# Altium PCB OneLaneSwitchedAdapter.PCBDOC (continued)
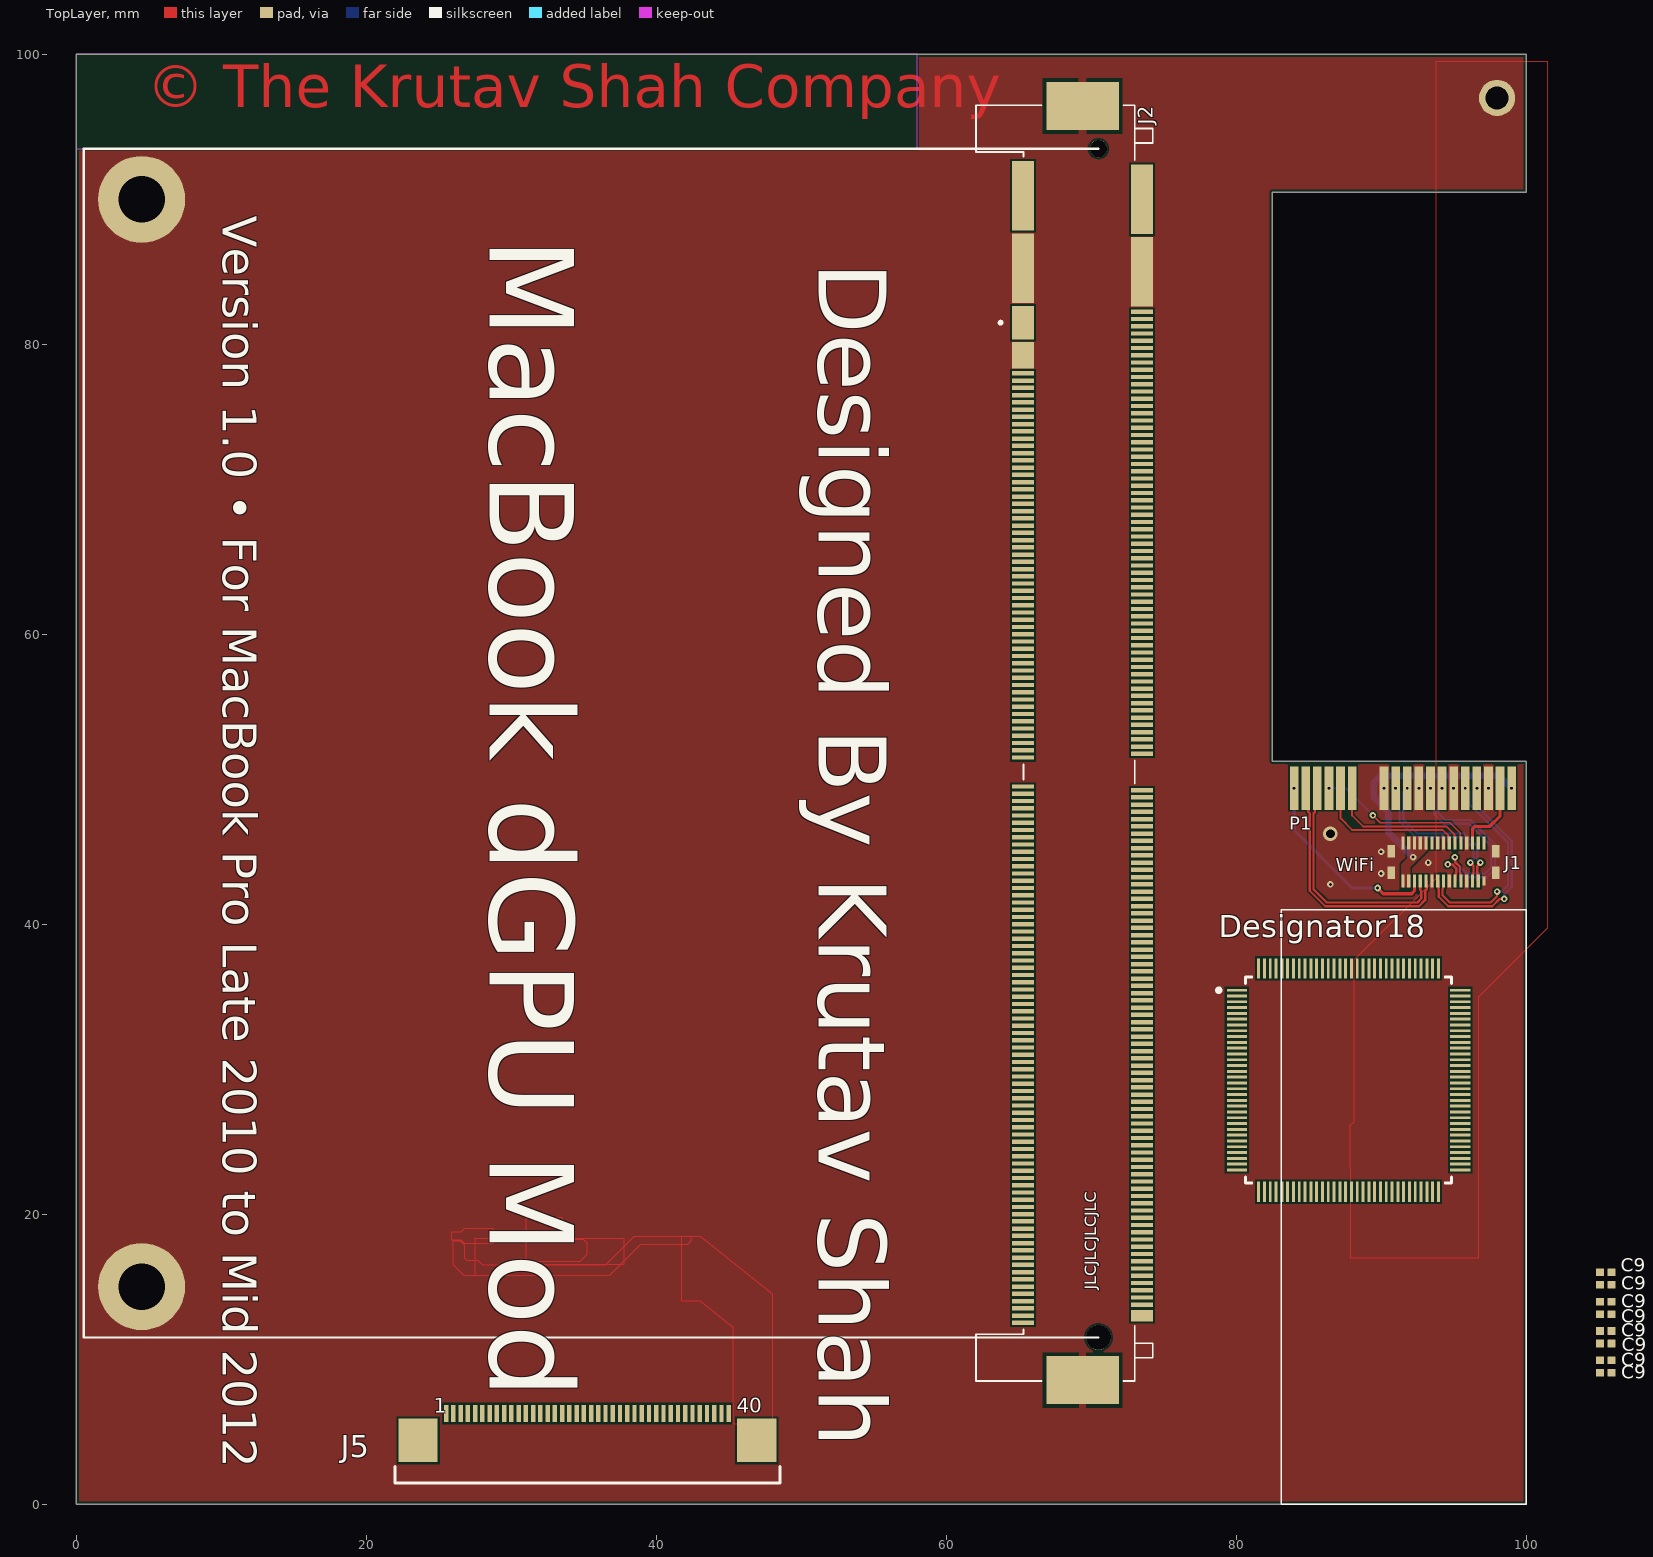
[diagram p0: TopLayer view]
## Classes and differential pairs
differential pair class Display: CK D0 D1 D2 DP_A_L0 DP_A_L1 DP_A_L2 DP_A_L3
net class Display: D0_N D0_P D1_N D1_P D2_N D2_P DP_A_AUX_N DP_A_AUX_P DP_A_HPD DP_A_L0_N DP_A_L0_P DP_A_L1_N DP_A_L1_P DP_A_L2_N DP_A_L2_P DP_A_L3_N DP_A_L3_P
net class JTAG[1..5]: JTAG1 JTAG2 JTAG3 JTAG4 JTAG5
differential pair USB_BT: +USB_BT_P -USB_BT_N
differential pair PCIE_CLK100M_AP: +PCIE_CLK100M_AP_P -PCIE_CLK100M_AP_N
differential pair PCIE_AP_R2D: +PCIE_AP_R2D_P -PCIE_AP_R2D_N
differential pair PCIE_AP_D2R: +PCIE_AP_D2R_P -PCIE_AP_D2R_N
differential pair DP_A_AUX: +DP_A_AUX_P -DP_A_AUX_N
differential pair DP_A_L3: +DP_A_L3_P -DP_A_L3_N
differential pair DP_A_L2: +DP_A_L2_P -DP_A_L2_N
differential pair DP_A_L1: +DP_A_L1_P -DP_A_L1_N
differential pair DP_A_L0: +DP_A_L0_P -DP_A_L0_N
differential pair D2: +D2_P -D2_N
differential pair D1: +D1_P -D1_N
differential pair D0: +D0_P -D0_N
differential pair CK: +CK_P -CK_N
differential pair REFCLK: +REFCLK_P -REFCLK_N
differential pair PER0_C: +PER0_C_P -PER0_C_N
differential pair PER0: +PER0_P -PER0_N
differential pair PET0: +PET0_P -PET0_N

## Components (designator, comment, footprint, x,y, rotation, side; value= is the part's Value field where it differs from the comment)
C91 "CC0402MRX5R5BB224" CAPC1005X55X25LL05T10 105.5,16 r0 top (schematic designator C3)
C92 "CC0402MRX5R5BB224" CAPC1005X55X25LL05T10 105.5,15.14 r0 top (schematic designator C3)
C93 "CC0402MRX5R5BB224" CAPC1005X55X25LL05T10 105.5,13.97 r0 top (schematic designator C3)
C94 "CC0402MRX5R5BB224" CAPC1005X55X25LL05T10 105.5,13.11 r0 top (schematic designator C3)
C95 "CC0402MRX5R5BB224" CAPC1005X55X25LL05T10 105.5,11.94 r0 top (schematic designator C3)
C96 "CC0402MRX5R5BB224" CAPC1005X55X25LL05T10 105.5,11.08 r0 top (schematic designator C3)
C97 "CC0402MRX5R5BB224" CAPC1005X55X25LL05T10 105.5,9.91 r0 top (schematic designator C3)
C98 "CC0402MRX5R5BB224" CAPC1005X55X25LL05T10 105.5,9.05 r0 top (schematic designator C3)
Designator18 "Comment" FP-PBK0128A-MFG 87.75,29.25 r0 top
J1 "Molex 501745-0301" 5017450301 94.303,44.048 r0 top
J2 "Comment" JAE_MM70-314-310B1-2-R300 70.5,50.5 r270 top (schematic designator J1)
J5 "Comment" 68714014022 35.25,3.69 r0 top
P1 "Edge Connector" MBPEdgeConnector 84,49.382 r0 top

## Footprints (in the part's own frame and the unit in brackets; to place one, negate y for a bottom-side part, rotate by r counter-clockwise, add the part's x,y. Pads: shape width x height; smd on the part's side, far side on the other; paste and mask are expansions set on the pad)
5017450301 [mm]
  rect 0.22x0.6 smd mask+0: 1(2.8,-1.061)
  rect 0.22x0.9 smd mask+0: 2(2.8,1.569) 3(2.4,-1.061) 4(2.4,1.569) 5(2,-1.061) 6(2,1.569) 7(1.6,-1.061) 8(1.6,1.569) 9(1.2,-1.061) 10(1.2,1.569) 11(0.8,-1.061) 12(0.8,1.569) 13(0.4,-1.061) 14(0.4,1.569) 15(0,-1.061) 16(0,1.569) 17(-0.4,-1.061) 18(-0.4,1.569) 19(-0.8,-1.061) 20(-0.8,1.569) 21(-1.2,-1.061) 22(-1.2,1.569) 23(-1.6,-1.061) 24(-1.6,1.569) 25(-2,-1.061) 26(-2,1.569) 27(-2.4,-1.061) 28(-2.4,1.569) 29(-2.8,-1.061) 30(-2.8,1.569)
  rect 0.5x0.85 smd mask+0: 31(3.6,-0.486) 32(3.6,0.994) 33(-3.6,0.994) 34(-3.6,-0.486)
68714014022 [mm] "ZIF Connectors, Horizontal, Top Contact, pitch 0.5mm, 40p"
  rect 0.3x1.2 smd: 1(-9.75,2.56) 2(-9.25,2.56) 3(-8.75,2.56) 4(-8.25,2.56) 5(-7.75,2.56) 6(-7.25,2.56) 7(-6.75,2.56) 8(-6.25,2.56) 9(-5.75,2.56) 10(-5.25,2.56) 11(-4.75,2.56) 12(-4.25,2.56) 13(-3.75,2.56) 14(-3.25,2.56) 15(-2.75,2.56) 16(-2.25,2.56) 17(-1.75,2.56) 18(-1.25,2.56) 19(-0.75,2.56) 20(-0.25,2.56) 21(0.25,2.56) 22(0.75,2.56) 23(1.25,2.56) 24(1.75,2.56) 25(2.25,2.56) 26(2.75,2.56) 27(3.25,2.56) 28(3.75,2.56) 29(4.25,2.56) 30(4.75,2.56) 31(5.25,2.56) 32(5.75,2.56) 33(6.25,2.56) 34(6.75,2.56) 35(7.25,2.56) 36(7.75,2.56) 37(8.25,2.56) 38(8.75,2.56) 39(9.25,2.56) 40(9.75,2.56)
  rect 2.7x3 smd: MP1(-11.68,0.7) MP2(11.68,0.7)
  silkscreen extent -13.27,-2.22 13.28,-1.1
CAPC1005X55X25LL05T10 [mm] "Chip Capacitor, 2-Leads, Body 1.05x0.55mm, IPC High Density"
  rect 0.56x0.52 smd: 1(-0.39,0) 2(0.39,0)
  body extent -0.53,-0.27 0.53,0.28, height 0.55
FP-PBK0128A-MFG [mm]
  rect 1.4x0.2 smd paste+0 mask+0: 1(-7.7,6.2) 2(-7.7,5.8) 3(-7.7,5.4) 4(-7.7,5) 5(-7.7,4.6) 6(-7.7,4.2) 7(-7.7,3.8) 8(-7.7,3.4) 9(-7.7,3) 10(-7.7,2.6) 11(-7.7,2.2) 12(-7.7,1.8) 13(-7.7,1.4) 14(-7.7,1) 15(-7.7,0.6) 16(-7.7,0.2) 17(-7.7,-0.2) 18(-7.7,-0.6) 19(-7.7,-1) 20(-7.7,-1.4) 21(-7.7,-1.8) 22(-7.7,-2.2) 23(-7.7,-2.6) 24(-7.7,-3) 25(-7.7,-3.4) 26(-7.7,-3.8) 27(-7.7,-4.2) 28(-7.7,-4.6) 29(-7.7,-5) 30(-7.7,-5.4) 31(-7.7,-5.8) 32(-7.7,-6.2) 65(7.7,-6.2) 66(7.7,-5.8) 67(7.7,-5.4) 68(7.7,-5) 69(7.7,-4.6) 70(7.7,-4.2) 71(7.7,-3.8) 72(7.7,-3.4) 73(7.7,-3) 74(7.7,-2.6) 75(7.7,-2.2) 76(7.7,-1.8) 77(7.7,-1.4) 78(7.7,-1) 79(7.7,-0.6) 80(7.7,-0.2) 81(7.7,0.2) 82(7.7,0.6) 83(7.7,1) 84(7.7,1.4) 85(7.7,1.8) 86(7.7,2.2) 87(7.7,2.6) 88(7.7,3) 89(7.7,3.4) 90(7.7,3.8) 91(7.7,4.2) 92(7.7,4.6) 93(7.7,5) 94(7.7,5.4) 95(7.7,5.8) 96(7.7,6.2)
  rect 0.2x1.4 smd paste+0 mask+0: 33(-6.2,-7.7) 34(-5.8,-7.7) 35(-5.4,-7.7) 36(-5,-7.7) 37(-4.6,-7.7) 38(-4.2,-7.7) 39(-3.8,-7.7) 40(-3.4,-7.7) 41(-3,-7.7) 42(-2.6,-7.7) 43(-2.2,-7.7) 44(-1.8,-7.7) 45(-1.4,-7.7) 46(-1,-7.7) 47(-0.6,-7.7) 48(-0.2,-7.7) 49(0.2,-7.7) 50(0.6,-7.7) 51(1,-7.7) 52(1.4,-7.7) 53(1.8,-7.7) 54(2.2,-7.7) 55(2.6,-7.7) 56(3,-7.7) 57(3.4,-7.7) 58(3.8,-7.7) 59(4.2,-7.7) 60(4.6,-7.7) 61(5,-7.7) 62(5.4,-7.7) 63(5.8,-7.7) 64(6.2,-7.7) 97(6.2,7.7) 98(5.8,7.7) 99(5.4,7.7) 100(5,7.7) 101(4.6,7.7) 102(4.2,7.7) 103(3.8,7.7) 104(3.4,7.7) 105(3,7.7) 106(2.6,7.7) 107(2.2,7.7) 108(1.8,7.7) 109(1.4,7.7) 110(1,7.7) 111(0.6,7.7) 112(0.2,7.7) 113(-0.2,7.7) 114(-0.6,7.7) 115(-1,7.7) 116(-1.4,7.7) 117(-1.8,7.7) 118(-2.2,7.7) 119(-2.6,7.7) 120(-3,7.7) 121(-3.4,7.7) 122(-3.8,7.7) 123(-4.2,7.7) 124(-4.6,7.7) 125(-5,7.7) 126(-5.4,7.7) 127(-5.8,7.7) 128(-6.2,7.7)
  silkscreen extent -9.07,-7.1 7.1,7.1, body extent -8.5,-8.5 8.5,8.5, height 0.25
JAE_MM70-314-310B1-2-R300 [mm]
  rect 2.3x1.5 smd: 1(-31,-5.2)
  rect 0.3x1.5 smd: 2(-31.75,3) 4(-31.25,3) 6(-30.75,3) 8(-30.25,3) 10(-29.75,3) 12(-29.25,3) 14(-28.75,3) 16(-28.25,3) 18(-27.75,3) 19(-27.5,-5.2) 20(-27.25,3) 21(-27,-5.2) 22(-26.75,3) 23(-26.5,-5.2) 24(-26.25,3) 25(-26,-5.2) 26(-25.75,3) 27(-25.5,-5.2) 28(-25.25,3) 29(-25,-5.2) 30(-24.75,3) 31(-24.5,-5.2) 32(-24.25,3) 33(-24,-5.2) 34(-23.75,3) 35(-23.5,-5.2) 36(-23.25,3) 37(-23,-5.2) 38(-22.75,3) 39(-22.5,-5.2) 40(-22.25,3) 41(-22,-5.2) 42(-21.75,3) 43(-21.5,-5.2) 44(-21.25,3) 45(-21,-5.2) 46(-20.75,3) 47(-20.5,-5.2) 48(-20.25,3) 49(-20,-5.2) 50(-19.75,3) 51(-19.5,-5.2) 52(-19.25,3) 53(-19,-5.2) 54(-18.75,3) 55(-18.5,-5.2) 56(-18.25,3) 57(-18,-5.2) 58(-17.75,3) 59(-17.5,-5.2) 60(-17.25,3) 61(-17,-5.2) 62(-16.75,3) 63(-16.5,-5.2) 64(-16.25,3) 65(-16,-5.2) 66(-15.75,3) 67(-15.5,-5.2) 68(-15.25,3) 69(-15,-5.2) 70(-14.75,3) 71(-14.5,-5.2) 72(-14.25,3) 73(-14,-5.2) 74(-13.75,3) 75(-13.5,-5.2) 76(-13.25,3) 77(-13,-5.2) 78(-12.75,3) 79(-12.5,-5.2) 80(-12.25,3) 81(-12,-5.2) 82(-11.75,3) 83(-11.5,-5.2) 84(-11.25,3) 85(-11,-5.2) 86(-10.75,3) 87(-10.5,-5.2) 88(-10.25,3) 89(-10,-5.2) 90(-9.75,3) 91(-9.5,-5.2) 92(-9.25,3) 93(-9,-5.2) 94(-8.75,3) 95(-8.5,-5.2) 96(-8.25,3) 97(-8,-5.2) 98(-7.75,3) 99(-7.5,-5.2) 100(-7.25,3) 101(-7,-5.2) 102(-6.75,3) 103(-6.5,-5.2) 104(-6.25,3) 105(-6,-5.2) 106(-5.75,3) 107(-5.5,-5.2) 108(-5.25,3) 109(-5,-5.2) 110(-4.75,3) 111(-4.5,-5.2) 112(-4.25,3) 113(-4,-5.2) 114(-3.75,3) 115(-3.5,-5.2) 116(-3.25,3) 117(-3,-5.2) 118(-2.75,3) 119(-2.5,-5.2) 120(-2.25,3) 121(-2,-5.2) 122(-1.75,3) 123(-1.5,-5.2) 124(-1.25,3) 125(-1,-5.2) 133(1,-5.2) 134(1.25,3) 135(1.5,-5.2) 136(1.75,3) 137(2,-5.2) 138(2.25,3) 139(2.5,-5.2) 140(2.75,3) 141(3,-5.2) 142(3.25,3) 143(3.5,-5.2) 144(3.75,3) 145(4,-5.2) 146(4.25,3) 147(4.5,-5.2) 148(4.75,3) 149(5,-5.2) 150(5.25,3) 151(5.5,-5.2) 152(5.75,3) 153(6,-5.2) 154(6.25,3) 155(6.5,-5.2) 156(6.75,3) 157(7,-5.2) 158(7.25,3) 159(7.5,-5.2) 160(7.75,3) 161(8,-5.2) 162(8.25,3) 163(8.5,-5.2) 164(8.75,3) 165(9,-5.2) 166(9.25,3) 167(9.5,-5.2) 168(9.75,3) 169(10,-5.2) 170(10.25,3) 171(10.5,-5.2) 172(10.75,3) 173(11,-5.2) 174(11.25,3) 175(11.5,-5.2) 176(11.75,3) 177(12,-5.2) 178(12.25,3) 179(12.5,-5.2) 180(12.75,3) 181(13,-5.2) 182(13.25,3) 183(13.5,-5.2) 184(13.75,3) 185(14,-5.2) 186(14.25,3) 187(14.5,-5.2) 188(14.75,3) 189(15,-5.2) 190(15.25,3) 191(15.5,-5.2) 192(15.75,3) 193(16,-5.2) 194(16.25,3) 195(16.5,-5.2) 196(16.75,3) 197(17,-5.2) 198(17.25,3) 199(17.5,-5.2) 200(17.75,3) 201(18,-5.2) 202(18.25,3) 203(18.5,-5.2) 204(18.75,3) 205(19,-5.2) 206(19.25,3) 207(19.5,-5.2) 208(19.75,3) 209(20,-5.2) 210(20.25,3) 211(20.5,-5.2) 212(20.75,3) 213(21,-5.2) 214(21.25,3) 215(21.5,-5.2) 216(21.75,3) 217(22,-5.2) 218(22.25,3) 219(22.5,-5.2) 220(22.75,3) 221(23,-5.2) 222(23.25,3) 223(23.5,-5.2) 224(23.75,3) 225(24,-5.2) 226(24.25,3) 227(24.5,-5.2) 228(24.75,3) 229(25,-5.2) 230(25.25,3) 231(25.5,-5.2) 232(25.75,3) 233(26,-5.2) 234(26.25,3) 235(26.5,-5.2) 236(26.75,3) 237(27,-5.2) 238(27.25,3) 239(27.5,-5.2) 240(27.75,3) 241(28,-5.2) 242(28.25,3) 243(28.5,-5.2) 244(28.75,3) 245(29,-5.2) 246(29.25,3) 247(29.5,-5.2) 248(29.75,3) 249(30,-5.2) 250(30.25,3) 251(30.5,-5.2) 252(30.75,3) 253(31,-5.2) 254(31.25,3) 255(31.5,-5.2) 256(31.75,3) 257(32,-5.2) 258(32.25,3) 259(32.5,-5.2) 260(32.75,3) 261(33,-5.2) 262(33.25,3) 263(33.5,-5.2) 264(33.75,3) 265(34,-5.2) 266(34.25,3) 267(34.5,-5.2) 268(34.75,3) 269(35,-5.2) 270(35.25,3) 271(35.5,-5.2) 272(35.75,3) 273(36,-5.2) 274(36.25,3) 275(36.5,-5.2) 276(36.75,3) 277(37,-5.2) 279(37.5,-5.2) 281(38,-5.2)
  rect 1.8x1.5 smd: 11(-28.75,-5.2)
  rect 0.8x1.5 smd: 278(37.5,3)
  rect 4.8x1.5 smd: E1(-39.75,-5.2) E2(-39.5,3) E3(-34.75,-5.2) E4(-34.5,3)
  rect 3.3x5 smd: S1(-45.95,-1.1) S2(41.95,-1.1)
  round 1.2 hole 1.2 unplated: ""(-43,0)
  round 1.7 hole 1.7 unplated: ""(39,0)
  silkscreen extent -46,-8.45 42,3.75
MBPEdgeConnector [mm]
  rect 0.6x3 smd paste-3 mask+0: 1(15,0) 2(14.2,0) 3(13.4,0) 4(12.6,0) 5(11.8,0) 6(11,0) 7(10.2,0) 8(9.4,0) 9(8.6,0) 10(7.8,0) 11(7,0) 12(6.2,0) 13(4,0) 14(3.2,0) 15(2.4,0) 16(1.6,0) 17(0.8,0) 18(0,0)

## Part data
C91 C92 C93 C94 C95 C96 C97 C98: library part CMP-2010-00679-1
J1: library part 501745-0301
J2: library part MM70-314-310B1-1-R300, "314 Position Female Connector MXM 3.0 Gold 0.020 _0.50mm_ Black"
P1: library part AdapterPCIEContacts

## Free pads (board coordinates)
  round 6 hole 3.2: MH1(4.5,15) MH2(4.5,90)
  round 2.5 hole 1.6: MH3(98,97)

## Via types
v1: diameter 0.45, hole 0.2, TopLayer to BottomLayer, tented both sides, 26 vias
v2: diameter 1, hole 0.6, TopLayer to BottomLayer, 1 vias

## Nets (pads, with @x,y where several pads share a name; then routed paths per layer and width w, separated by ;. In a path a pad name is that pad's centre, name@x,y a point inside that pad or via, vN(x,y) a via of type N, cw(c..) or ccw(c..) an arc to the next point about the centre after c; other vN are vias at no path point)
3.3VAUX: 
+3.3V: 
+5V: 
+12V: 
+HD5V: 
AP_CLKREQ_Q_L: J1.10 P1.15 | length 11
  TopLayer w0.127: v1(89.429,47.513) 89.942,47 94.75,47 95.456,46.294 95.456,45.664 J1.10
  BottomLayer w0.127: v1(86.4,49.382) 87.56,49.382 v1(89.429,47.513)
AP_PCIE_WAKE_L: J1.12 P1.13 | length 10.1
  TopLayer w0.127: P1.13 88,47.5 88.75,46.75 94.5,46.75 95.057,46.193 95.057,45.664 J1.12
AP_RESET_CONN_L: J1.14 P1.14 | length 10.5
  TopLayer w0.127: P1.14 87.2,47.3 88,46.5 94.249,46.5 94.656,46.093 94.656,45.664 J1.14
C1: 
C2: 
C3: 
C4: 
CEC: 
CK_N: 
CK_P: 
CLKREQ#: 
CLKREQ_R#: 
D0_N: 
D0_P: 
D1_N: 
D1_P: 
D2_N: 
D2_P: 
DP_A_AUX_N: 
DP_A_AUX_P: 
DP_A_HPD: 
DP_A_L0_N: 
DP_A_L0_P: 
DP_A_L1_N: 
DP_A_L1_P: 
DP_A_L2_N: 
DP_A_L2_P: 
DP_A_L3_N: 
DP_A_L3_P: 
FAN_PWM: 
GND: J1.1 J1.7 J1.8 J1.13 J1.16 J1.19 J1.30 J1.31 J1.32 J1.33 J1.34 J2.11 J2.E3 J2.E4 J2.S1 J2.S2 P1.3 P1.6 P1.9 P1.12 pad.MH1 pad.MH2 pad.MH3
  other v1: 86.5,42.75 90,43.5 93.25,44.25 90,45 90.2,49.382 92.6,49.382 95,49.382 97.4,49.382
  other v2: 86.5,46.25
HPD: 
HPD_R: 
JTAG1: 
JTAG2: 
JTAG3: 
JTAG4: 
JTAG5: 
MXM_PM_SWING#: 
Net#PWR01_1: 
Net#PWR02_1: 
Net#PWR03_1: 
Net#PWR05_1: 
Net#PWR06_1: 
Net#PWR07_1: 
Net#PWR08_1: 
Net#PWR09_1: 
Net#PWR010_1: 
Net#PWR011_1: 
Net#PWR012_1: 
Net#PWR013_1: 
Net#PWR017_1: 
Net#PWR018_1: 
Net#PWR019_1: 
Net#PWR020_1: 
Net#PWR021_1: 
Net#PWR022_1: 
Net#PWR023_1: 
Net#PWR024_1: 
Net#PWR025_1: 
Net#PWR026_1: 
Net#PWR028_1: 
Net#PWR029_1: 
Net#PWR0101_1: 
Net#PWR0102_1: 
Net#PWR0103_1: 
Net#PWR?_1: 
NetC1_1: 
NetC3_2: 
NetC14_1: 
NetC14_2: 
NetD5_2: 
NetD7_1: 
NetFB1_1: 
NetFB2_1: 
NetFB3_1: 
NetFB4_1: 
NetFB5_2: 
NetJ1_A1: 
NetJ2_1: 
NetJ2_5: 
NetJ3_18: 
NetJ?_15: 
NetJ?_16: 
NetQ1_3: 
NetQ?_3: 
NetR5_2: 
NetR12_2: 
NetR31_2: 
OVERHEAT#: 
PCIE_AP_D2R_N: J1.5 P1.11 | length 10.7
  TopLayer w0.159: v1(96.153,44.25) 96.153,44.231 96.373,44.011 96.373,43.769 96.373,43.554 96.334,43.514 96.334,43.018 J1.5
  BottomLayer w0.159: v1(91,49.382) 91.27,49.112 91.27,47.112 92.382,46 95.623,46 96.373,45.25 96.373,44.88 96.373,44.489 96.153,44.269 v1(96.153,44.25)
PCIE_AP_D2R_P: J1.3 P1.10 | length 10.7
  TopLayer w0.159: J1.3 96.672,43.018 96.672,43.514 96.633,43.554 96.633,43.877 96.633,44.011 96.853,44.231 v1(96.853,44.25)
  BottomLayer w0.159: v1(91.8,49.382) 91.53,49.112 91.53,47.22 92.49,46.26 95.731,46.26 96.633,45.358 96.633,44.772 96.633,44.489 96.853,44.269 v1(96.853,44.25)
PCIE_AP_R2D_N: J1.17 P1.4 | length 15.2
  TopLayer w0.159: J1.17 93.934,42.956 93.934,42.46 93.973,42.42 93.973,41.892 94.625,41.24 97.669,41.24 98.171,41.742 98.482,41.742 v1(98.495,41.755)
  BottomLayer w0.159: v1(96.6,49.382) 96.33,49.112 96.33,48.42 99.01,45.74 99.01,42.581 98.508,42.079 98.508,41.768 v1(98.495,41.755)
PCIE_AP_R2D_P: J1.15 P1.5 | length 14.3
  TopLayer w0.159: J1.15 94.272,42.956 94.272,42.46 94.233,42.42 94.233,42 94.733,41.5 97.561,41.5 97.987,41.926 97.987,42.237 v1(98,42.25)
  BottomLayer w0.159: v1(95.8,49.382) 96.07,49.112 96.07,48.312 98.75,45.632 98.75,42.689 98.324,42.263 98.013,42.263 v1(98,42.25)
PCIE_CLK100M_AP_N: J1.11 P1.7 | length 13.8
  TopLayer w0.159: v1(94.596,44.129) 94.609,44.115 94.92,44.115 95.173,43.863 95.173,43.554 95.134,43.514 95.134,43.018 J1.11
  BottomLayer w0.159: v1(94.2,49.382) 93.93,49.112 93.93,47.688 94.422,47.197 96.172,47.197 97.855,45.513 97.855,43.812 97.282,43.24 95.796,43.24 94.92,44.115 94.609,44.115 v1(94.596,44.129)
PCIE_CLK100M_AP_P: J1.9 P1.8 | length 13.4
  TopLayer w0.159: v1(95.091,44.624) 95.104,44.61 95.104,44.299 95.433,43.97 95.433,43.554 95.472,43.514 95.472,43.018 J1.9
  BottomLayer w0.159: v1(93.4,49.382) 93.67,49.112 93.67,47.58 94.314,46.936 96.064,46.936 97.595,45.405 97.595,43.92 97.174,43.5 95.904,43.5 95.104,44.299 95.104,44.61 v1(95.091,44.624)
PER0_C_N: 
PER0_C_P: 
PER0_N: 
PER0_P: 
PER1_N: 
PER1_P: 
PER2_N: 
PER2_P: 
PER3_N: 
PER3_P: 
PER4_N: 
PER4_P: 
PER5_N: 
PER5_P: 
PER6_N: 
PER6_P: 
PER7_N: 
PER7_P: 
PER8_N: 
PER8_P: 
PER9_N: 
PER9_P: 
PER10_N: 
PER10_P: 
PER11_N: 
PER11_P: 
PER12_N: 
PER12_P: 
PER13_N: 
PER13_P: 
PER14_N: 
PER14_P: 
PER15_N: 
PER15_P: 
PERST#: 
PERST#: 
PET0_N: 
PET0_P: 
PET1_N: 
PET1_P: 
PET2_N: 
PET2_P: 
PET3_N: 
PET3_P: 
PET4_N: 
PET4_P: 
PET5_N: 
PET5_P: 
PET6_N: 
PET6_P: 
PET7_N: 
PET7_P: 
PET8_N: 
PET8_P: 
PET9_N: 
PET9_P: 
PET10_N: 
PET10_P: 
PET11_N: 
PET11_P: 
PET12_N: 
PET12_P: 
PET13_N: 
PET13_P: 
PET14_N: 
PET14_P: 
PET15_N: 
PET15_P: 
PP3V3_S3_BT_F: J1.25 P1.18 | length 13.8
  TopLayer w0.22: v1(89.75,42.5) 90.144,42.106 92.106,42.106 92.303,42.303 J1.25
  BottomLayer w0.22: v1(84,49.382) 84,46.5 88,42.5 v1(89.75,42.5)
PP3V3_WLAN: J1.22 J1.24 J1.26 J1.27 J1.28 J1.29 P1.1 | length 16.3
  BottomLayer w0.45: v1(92.202,44.627) 90.5,46.329 90.5,47.75 89.5,48.75 89.5,49.791 89.959,50.25 98.132,50.25 v1(99,49.382)
PRSNT1#: 
PRSNT2#: 
PRSNT_R#: 
PWR_EN: 
REFCLK+: 
REFCLK-: 
REFCLK_N: 
REFCLK_P: 
SCL: 
SDA: 
SH: 
SMCLK: 
SMCLK_R: 
SMDAT: 
SMDAT_R: 
TMDS_HPD: 
TMDS_SCL: 
TMDS_SDA: 
USB_BT_N: J1.23 P1.16 | length 16.3
  TopLayer w0.159: P1.16 85.433,49.215 85.433,47.744 85.33,47.641 85.33,42.42 86.25,41.5 92.5,41.5 92.773,41.773 92.773,42.286 92.703,42.356 J1.23
USB_BT_P: J1.21 P1.17 | length 17.2
  TopLayer w0.159: P1.17 84.967,49.215 84.967,47.744 85.07,47.641 85.07,42.312 86.142,41.24 92.608,41.24 93.033,41.665 93.033,42.286 93.146,42.399 93.146,42.987 J1.21
VGA_DISABLE#: 
VGA_VS: 
WAKE#: 
WAKE#: 
WAKE_R#: 
WIFI_EVENT_L: J1.6 P1.2 | length 5.2
  TopLayer w0.22: J1.6 96.303,46.591 96.462,46.75 97.5,46.75 98.2,47.45 P1.2
pads on no net: C91.1 C91.2 C92.1 C92.2 C93.1 C93.2 C94.1 C94.2 C95.1 C95.2 C96.1 C96.2 C97.1 C97.2 C98.1 C98.2 Designator18.1 Designator18.2 Designator18.3 Designator18.4 Designator18.5 Designator18.6 Designator18.7 Designator18.8 Designator18.9 Designator18.10 Designator18.11 Designator18.12 Designator18.13 Designator18.14 Designator18.15 Designator18.16 Designator18.17 Designator18.18 Designator18.19 Designator18.20 Designator18.21 Designator18.22 Designator18.23 Designator18.24 Designator18.25 Designator18.26 Designator18.27 Designator18.28 Designator18.29 Designator18.30 Designator18.31 Designator18.32 Designator18.33 Designator18.34 Designator18.35 Designator18.36 Designator18.37 Designator18.38 Designator18.39 Designator18.40 Designator18.41 Designator18.42 Designator18.43 Designator18.44 Designator18.45 Designator18.46 Designator18.47 Designator18.48 Designator18.49 Designator18.50 Designator18.51 Designator18.52 Designator18.53 Designator18.54 Designator18.55 Designator18.56 Designator18.57 Designator18.58 Designator18.59 Designator18.60 Designator18.61 Designator18.62 Designator18.63 Designator18.64 Designator18.65 Designator18.66 Designator18.67 Designator18.68 Designator18.69 Designator18.70 Designator18.71 Designator18.72 Designator18.73 Designator18.74 Designator18.75 Designator18.76 Designator18.77 Designator18.78 Designator18.79 Designator18.80 Designator18.81 Designator18.82 Designator18.83 Designator18.84 Designator18.85 Designator18.86 Designator18.87 Designator18.88 Designator18.89 Designator18.90 Designator18.91 Designator18.92 Designator18.93 Designator18.94 Designator18.95 Designator18.96 Designator18.97 Designator18.98 Designator18.99 Designator18.100 Designator18.101 Designator18.102 Designator18.103 Designator18.104 Designator18.105 Designator18.106 Designator18.107 Designator18.108 Designator18.109 Designator18.110 Designator18.111 Designator18.112 Designator18.113 Designator18.114 Designator18.115 Designator18.116 Designator18.117 Designator18.118 Designator18.119 Designator18.120 Designator18.121 Designator18.122 Designator18.123 Designator18.124 Designator18.125 Designator18.126 Designator18.127 Designator18.128 J1.2 J1.4 J1.18 J1.20 J2. J2.1 J2.2 J2.4 J2.6 J2.8 J2.10 J2.12 J2.14 J2.16 J2.18 J2.19 J2.20 J2.21 J2.22 J2.23 J2.24 J2.25 J2.26 J2.27 J2.28 J2.29 J2.30 J2.31 J2.32 J2.33 J2.34 J2.35 J2.36 J2.37 J2.38 J2.39 J2.40 J2.41 J2.42 J2.43 J2.44 J2.45 J2.46 J2.47 J2.48 J2.49 J2.50 J2.51 J2.52 J2.53 J2.54 J2.55 J2.56 J2.57 J2.58 J2.59 J2.60 J2.61 J2.62 J2.63 J2.64 J2.65 J2.66 J2.67 J2.68 J2.69 J2.70 J2.71 J2.72 J2.73 J2.74 J2.75 J2.76 J2.77 J2.78 J2.79 J2.80 J2.81 J2.82 J2.83 J2.84 J2.85 J2.86 J2.87 J2.88 J2.89 J2.90 J2.91 J2.92 J2.93 J2.94 J2.95 J2.96 J2.97 J2.98 J2.99 J2.100 J2.101 J2.102 J2.103 J2.104 J2.105 J2.106 J2.107 J2.108 J2.109 J2.110 J2.111 J2.112 J2.113 J2.114 J2.115 J2.116 J2.117 J2.118 J2.119 J2.120 J2.121 J2.122 J2.123 J2.124 J2.125 J2.133 J2.134 J2.135 J2.136 J2.137 J2.138 J2.139 J2.140 J2.141 J2.142 J2.143 J2.144 J2.145 J2.146 J2.147 J2.148 J2.149 J2.150 J2.151 J2.152 J2.153 J2.154 J2.155 J2.156 J2.157 J2.158 J2.159 J2.160 J2.161 J2.162 J2.163 J2.164 J2.165 J2.166 J2.167 J2.168 J2.169 J2.170 J2.171 J2.172 J2.173 J2.174 J2.175 J2.176 J2.177 J2.178 J2.179 J2.180 J2.181 J2.182 J2.183 J2.184 J2.185 J2.186 J2.187 J2.188 J2.189 J2.190 J2.191 J2.192 J2.193 J2.194 J2.195 J2.196 J2.197 J2.198 J2.199 J2.200 J2.201 J2.202 J2.203 J2.204 J2.205 J2.206 J2.207 J2.208 J2.209 J2.210 J2.211 J2.212 J2.213 J2.214 J2.215 J2.216 J2.217 J2.218 J2.219 J2.220 J2.221 J2.222 J2.223 J2.224 J2.225 J2.226 J2.227 J2.228 J2.229 J2.230 J2.231 J2.232 J2.233 J2.234 J2.235 J2.236 J2.237 J2.238 J2.239 J2.240 J2.241 J2.242 J2.243 J2.244 J2.245 J2.246 J2.247 J2.248 J2.249 J2.250 J2.251 J2.252 J2.253 J2.254 J2.255 J2.256 J2.257 J2.258 J2.259 J2.260 J2.261 J2.262 J2.263 J2.264 J2.265 J2.266 J2.267 J2.268 J2.269 J2.270 J2.271 J2.272 J2.273 J2.274 J2.275 J2.276 J2.277 J2.278 J2.279 J2.281 J2.E1 J2.E2 J5.1 J5.2 J5.3 J5.4 J5.5 J5.6 J5.7 J5.8 J5.9 J5.10 J5.11 J5.12 J5.13 J5.14 J5.15 J5.16 J5.17 J5.18 J5.19 J5.20 J5.21 J5.22 J5.23 J5.24 J5.25 J5.26 J5.27 J5.28 J5.29 J5.30 J5.31 J5.32 J5.33 J5.34 J5.35 J5.36 J5.37 J5.38 J5.39 J5.40 J5.MP1 J5.MP2

## Polygon pours and split planes (outlines as drawn)
GND on TopLayer "GND_L01_P030" (solid, remove dead copper, pour order 30): 100,0 0,0 0,100 100,100
PP3V3_WLAN on TopLayer "PP3V3_WLAN_L01_P026" (solid, pour order 26): 91.392,42.536 91.392,44.142 91.792,44.542 91.792,46.065 93.215,46.065 93.214,45.127 92.011,43.924 92.011,42.536
+12V on TopLayer "NONET_L01_P015" (solid, shelved, pour order 15): 38.875,17.875 36.75,15.75 26.752,15.75 26,16.502 26,18.171 26.471,18.171 26.75,17.893 26.75,17 26.918,16.832 27.668,16.832 28,16.5 36.5,16.5 38.472,18.472 42.389,18.472 42.389,18.139 42.125,17.875
+5V on TopLayer "NONET_L01_P025" (solid, shelved, pour order 25): 31,19.75 31,16.75 34.75,16.75 35.25,17.25 35.25,18 35,18.25 33.5,18.25 33.5,19.75 31,19.75 31.25,19.75
NetC14_1 on TopLayer "NONET_L01_P017" (solid, shelved, pour order 17): 25.868,18.75 25.868,18.25 26.5,18.25 26.75,18 28.75,18 28.75,19 26.75,19 26.5,18.75
+5V on TopLayer "NONET_L01_P021" (solid, shelved, pour order 21): 27.497,18.349 28.497,18.349 37.75,18.349 37.75,16.5 29.247,16.5 29.247,16.099 28.908,15.759 27.497,15.759
+12V on TopLayer "TopLayer-+12V" (solid, remove dead copper, shelved, pour order 20): 87.854,17 96.746,17 96.749,34.999 101.5,39.75 101.5,99.5 93.75,99.5 93.75,43.15 88.102,37.502 88.102,26.352 87.848,26.098 87.854,20.25
+12V on TopLayer "TopLayer-+12V" (solid, shelved, pour order 23): 43.028,14 41.75,14 41.75,18.472 43.028,18.472 48,14.5 48,5.5 45.301,5.5 45.301,12.25 45.25,12.25
GND on BottomLayer "GND_L04_P022" (solid, pour order 22): 100,0 0,0 0,100 100,100
+12V on BottomLayer "NONET_L04_P011" (solid, shelved, pour order 11): 96.75,17 96.75,34.996 101.5,39.746 101.5,99.5 93.75,99.5 93.75,43.15 88.102,37.503 88.102,26.348 87.855,26.101 87.855,17
+12V on BottomLayer "NONET_L04_P012" (solid, shelved, pour order 12): 45.579,9.713 48,9.713 48,5.595 45.579,5.595
+3.3V on BottomLayer "NONET_L04_P018" (solid, shelved, pour order 18): 53.036,5.585 52.25,5.585 52.25,7.5 52.5,7.75 54,7.75 55,6.75 55,5.585
GND on InternalPlane2 (split plane): 99.617,90.883 82.5,90.883 82.425,90.875 82.353,90.854 82.287,90.818 82.229,90.771 82.182,90.713 82.146,90.647 82.125,90.575 82.117,90.5 82.117,89.25 82.117,51.25 82.125,51.175 82.146,51.103 82.182,51.037 82.229,50.979 82.287,50.932 82.353,50.896 82.425,50.875 82.5,50.867 99.617,50.867 99.617,0.383 0.383,0.383 0.383,99.617 99.617,99.617
GND on InternalPlane1 (split plane): 99.617,90.883 82.5,90.883 82.425,90.875 82.353,90.854 82.287,90.818 82.229,90.771 82.182,90.713 82.146,90.647 82.125,90.575 82.117,90.5 82.117,89.25 82.117,51.25 82.125,51.175 82.146,51.103 82.182,51.037 82.229,50.979 82.287,50.932 82.353,50.896 82.425,50.875 82.5,50.867 99.617,50.867 99.617,0.383 0.383,0.383 0.383,99.617 99.617,99.617

## Keep-outs
KeepOutLayer:
  rectangle: 0,93.5 58,100

## Other copper
TopLayer:
  text "© The Krutav Shah Company" at 4.854,95.384 h5

## Silkscreen, mask and mechanical layers (free items; w line width, h text height)
TopOverlay:
  lines w0.1: 83.1,0 100,0 100,41 83.1,41 83.1,0
  lines w0.154: 70.5,11.5 0.5,11.5 0.5,93.5 70.5,93.5
  text "Version 1.0 • For MacBook Pro Late 2010 to Mid 2012" at 9.283,88.865 h4 r270
  text "MacBook dGPU Mod" at 26.583,87.371 h10 r270
  text "Designed By Krutav Shah" at 49.665,85.667 h8 r270
  text "WiFi" at 86.879,43.653 h0.92
  text "JLCJLCJLCJLC" at 70.347,14.777 h0.81 r90
BottomOverlay:
  text "MBP Unibody Wireless / Universal Adapter" at 99.945,45.3 h0.92
  text "Version 2" at 94.402,43.653 h0.92
Outline:
  the board outline again, w0.1

## Dimensions
0,0 to 0,100 on PCI-SIG Dimensions
0,100 to 100,100 on PCI-SIG Dimensions

## Text inside footprints (layer, text, board x,y; h text height)
J5: TopOverlay "40" at 45.55,6.3 h1.02; TopOverlay "1" at 24.65,6.3 h1.02